# KiCad board endeavour2.kicad_pcb (continued)
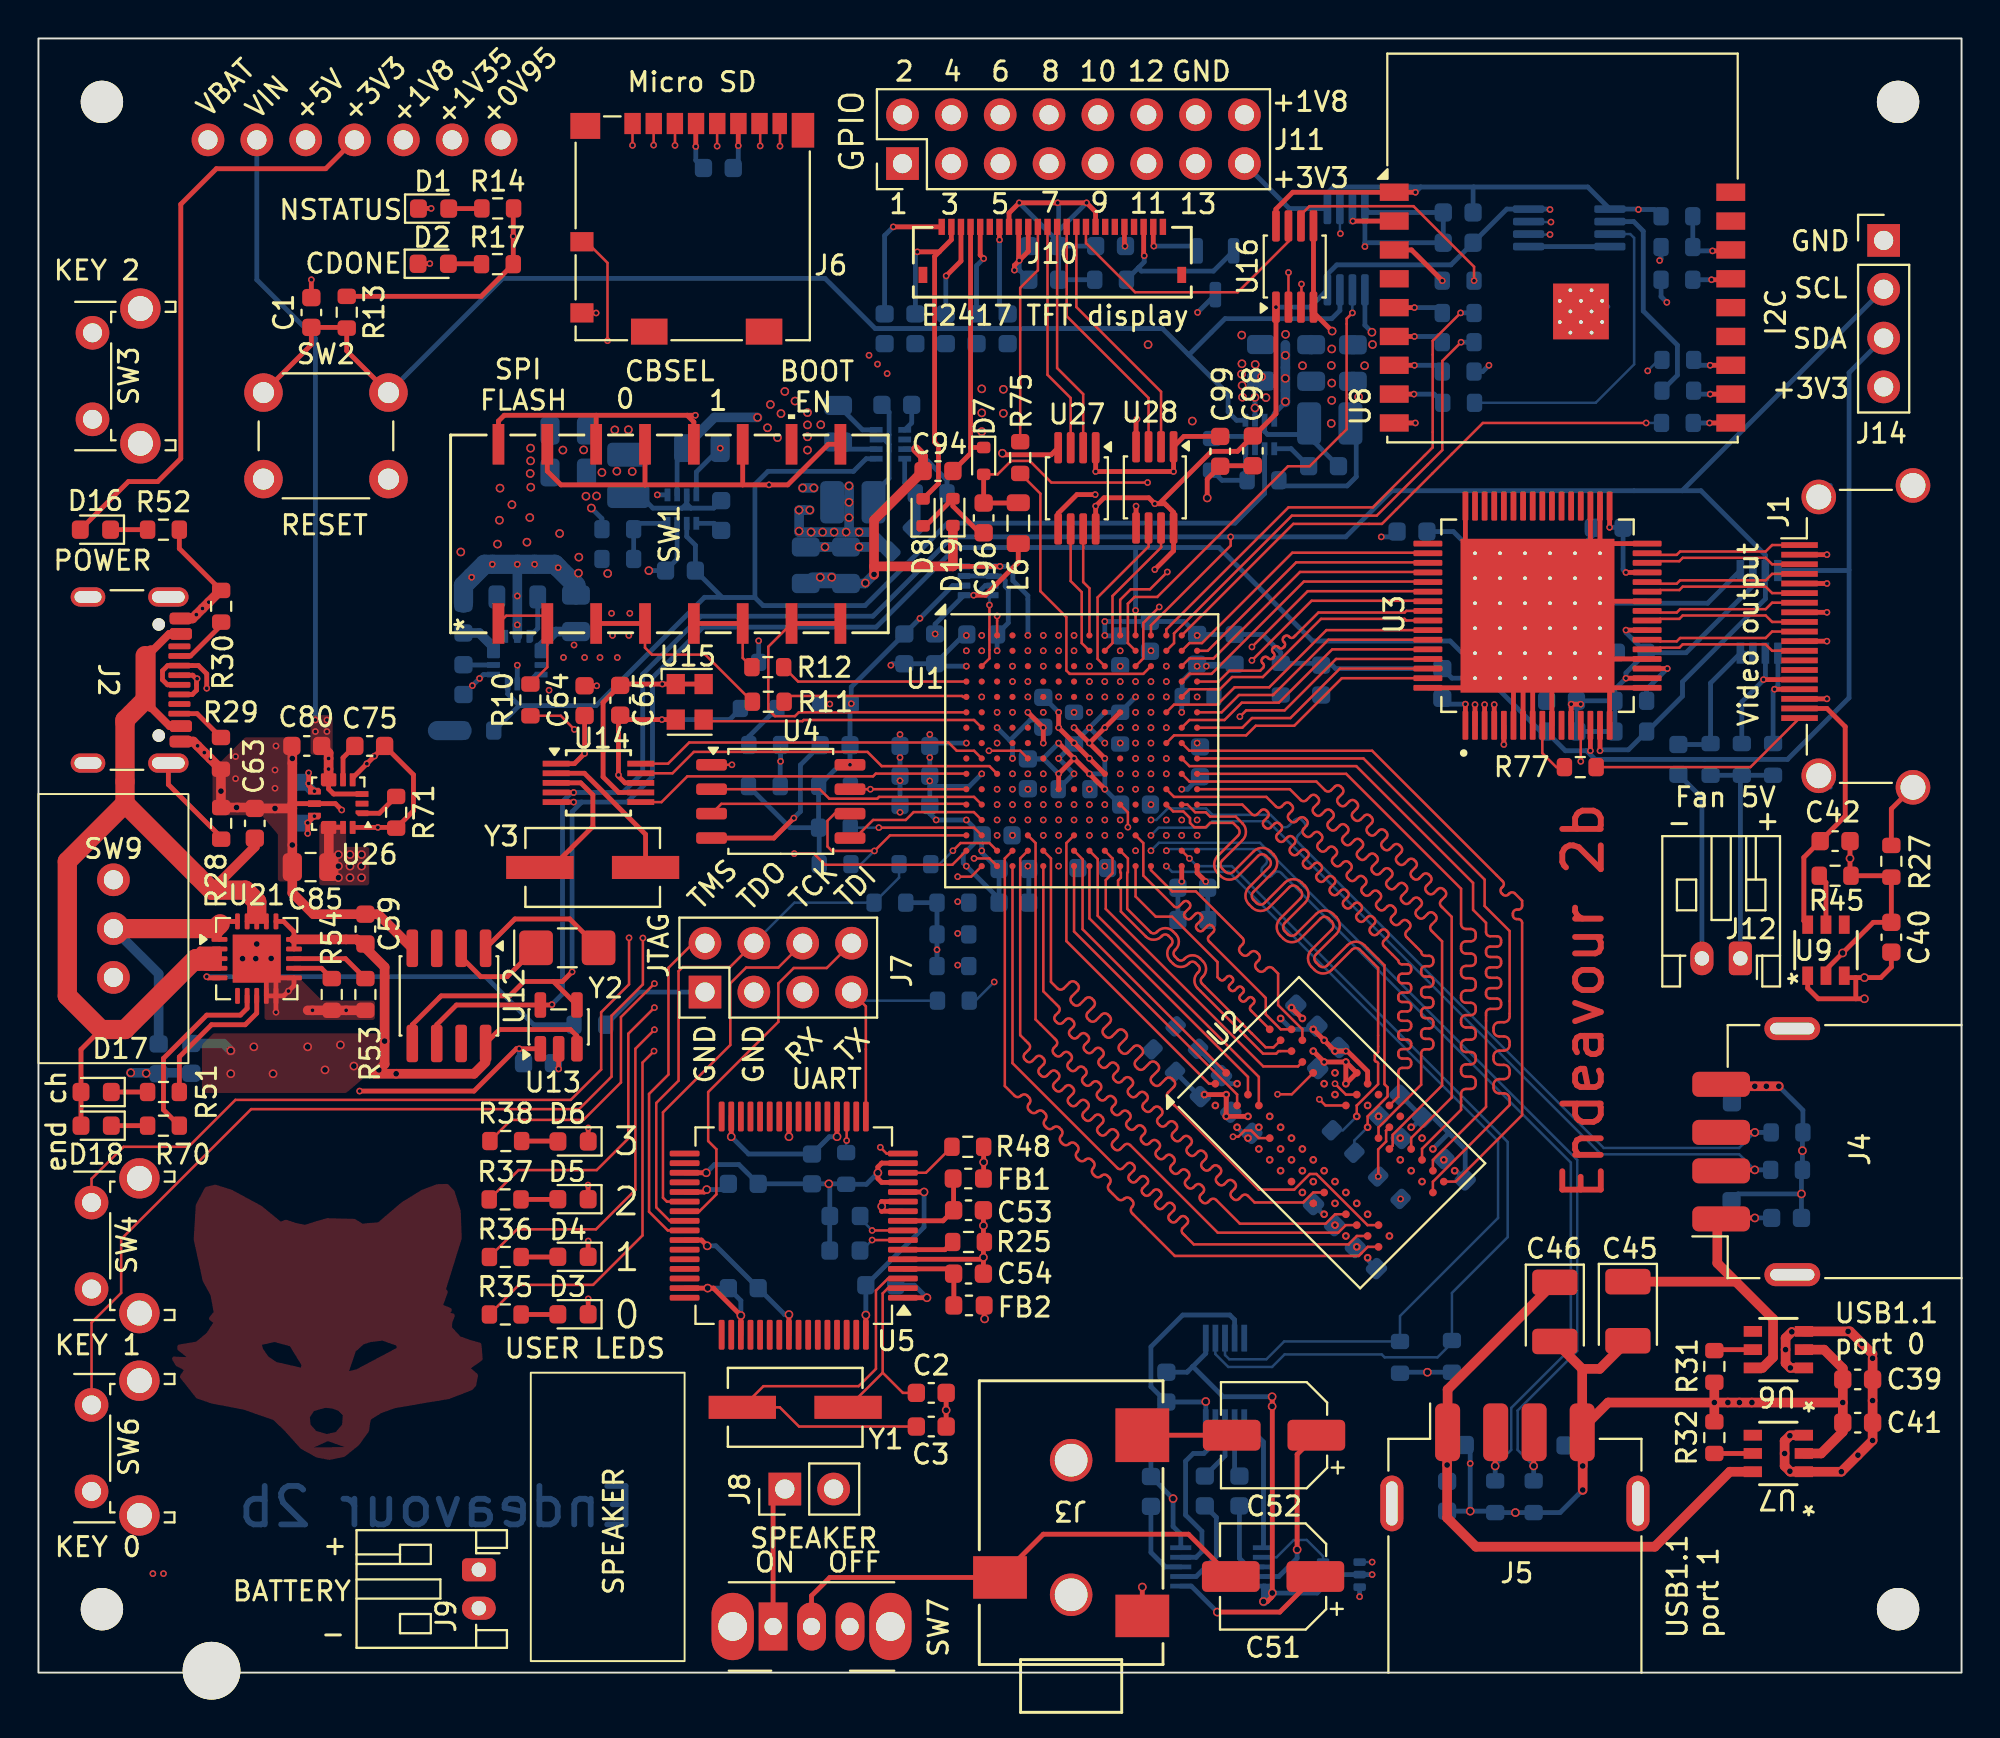
[diagram p0: board, top side]
## Routing (per net, layer and track width the routed paths; a pad name or vN(x,y) marks a point on that pad's centre or on a via; arc(x,y) is an arc through that point) (continued)
DVI_CK+: length 14.5
  Top w0.13: U3.57 71.12,54.72 71.04,54.81 66.69,54.81 63.67,51.78 62.07,51.78 61.43,51.15 59.85,51.15 U1.E15
DVI_CK-: length 14.9
  Top w0.13: U1.D16 61.37,51.55 61.93,52.11 63.53,52.11 63.68,52.26 arc(63.72,52.37) 63.68,52.48 63.64,52.52 arc(63.59,52.63) 63.64,52.74 63.69,52.8 arc(63.8,52.84) 63.92,52.8 63.95,52.76 arc(64.07,52.71) 64.18,52.76 64.23,52.81 arc(64.28,52.92) 64.23,53.03 64.19,53.07 arc(64.15,53.18) 64.19,53.3 64.25,53.35 arc(64.36,53.4) 64.47,53.35 64.51,53.31 arc(64.62,53.26) 64.73,53.31 64.78,53.37 arc(64.83,53.48) 64.78,53.59 64.74,53.63 arc(64.7,53.74) 64.74,53.85 64.8,53.9 arc(64.91,53.95) 65.02,53.9 65.06,53.86 arc(65.17,53.82) 65.28,53.86 66.56,55.14 71.04,55.14 71.12,55.22 U3.56
DVI_D0: length 15
  Top w0.13: U3.63 67.78,51.72 65.3,49.25 63.3,49.25 62.8,48.75 59.05,48.75 U1.H14
DVI_D1: length 13.3
  Top w0.13: U1.G16 62.6,49.15 63.1,49.65 65.1,49.65 67.68,52.22 U3.62
DVI_D2: length 16.7
  Top w0.13: v1(62.47,49.72) 62.8,50.05 64.8,50.05 67.47,52.72 U3.61
  In2.Cu w0.13: v1(62.47,49.72) 59.76,49.72 59.58,49.55 57.45,49.55 v1(57.05,49.15)
DVI_D3: length 14.5
  Top w0.13: U1.G15 59.85,49.55 61.68,49.55 62.57,50.45 64.5,50.45 67.28,53.22 U3.60
DVI_D4: length 13.6
  Top w0.13: U3.59 67.07,53.72 64.2,50.85 62.43,50.85 61.53,49.95 U1.F16
DVI_D5: length 15.4
  Top w0.13: U1.F14 59.05,50.35 61.3,50.35 62.2,51.25 64,51.25 66.97,54.22 U3.58
DVI_D6: length 16.8
  Top w0.13: U3.55 71.62,55.72 71.6,55.75 66.2,55.75 v1(63.1,52.65)
  In2.Cu w0.13: v1(57.85,49.95) 58.9,49.95 59.3,50.35 60.8,50.35 v1(63.1,52.65)
DVI_D7: length 17.5
  Top w0.13: v1(63.1,53.35) 66,56.25 71.9,56.25
  In2.Cu w0.13: v1(63.1,53.35) 60.9,51.15 59.7,51.15 58.87,50.32 57.42,50.32 v1(57.05,49.95)
DVI_D8: length 14.6
  Top w0.13: U1.D15 59.85,51.95 61,51.95 65.8,56.75 71.9,56.75
DVI_D9: length 14.4
  Top w0.13: U1.C15 59.85,52.75 61.1,52.75 65.6,57.25 71.8,57.25
DVI_D10: length 13.9
  Top w0.13: U1.B16 60.8,53.15 65.4,57.75 71.8,57.75 71.82,57.72 U3.51
DVI_D11: length 14.9
  Top w0.13: U3.50 72.22,58.25 65.2,58.25 60.5,53.55 59.85,53.55 U1.B15
DVI_DE: length 17.9
  Top w0.25: U3.2 v1(74.7,50.35)
  In2.Cu w0.13: v1(74.7,50.35) 74.7,49.95 74.1,49.35 59.75,49.35 59.55,49.15 v1(58.65,49.15)
DVI_HSYNC: length 20.8
  Top w0.25: U3.4 v1(75.7,50.35)
  In2.Cu w0.13: v1(75.7,50.35) 75.7,49.95 74.8,49.05 59.85,49.05 59.55,48.75 57.45,48.75 v1(57.05,48.35)
DVI_TX0+: length 8.2
  Top w0.13: U3.25 84.25,55.22 84.34,55.14 85.19,55.14 85.37,55.31 89.81,55.31 90.15,55.65 J1.7
DVI_TX0-: length 8.2
  Top w0.13: J1.9 90.15,54.65 89.81,54.98 85.5,54.98 85.32,54.81 84.34,54.81 84.25,54.72 U3.24
DVI_TX1+: length 8.2
  Top w0.13: J1.4 90.15,57.15 89.81,56.81 85.37,56.81 85.19,56.64 84.34,56.64 84.25,56.72 U3.28
DVI_TX1-: length 8.2
  Top w0.13: J1.6 90.15,56.15 89.81,56.48 85.5,56.48 85.32,56.31 84.34,56.31 84.25,56.22 U3.27
DVI_TX2+: length 8.2
  Top w0.13: U3.31 84.25,58.22 84.34,58.14 85.19,58.14 85.37,58.31 89.81,58.31 90.15,58.65 J1.1
DVI_TX2-: length 8.2
  Top w0.13: J1.3 90.15,57.65 89.81,57.98 85.5,57.98 85.32,57.81 84.34,57.81 84.25,57.72 U3.30
DVI_TXC+: length 8.2
  Top w0.13: U3.22 84.25,53.72 84.34,53.64 85.19,53.64 85.37,53.81 89.81,53.81 90.15,54.15 J1.10
DVI_TXC-: length 8.2
  Top w0.13: J1.12 90.15,53.15 89.81,53.48 85.5,53.48 85.32,53.31 84.34,53.31 84.25,53.22 U3.21
DVI_VSYNC: length 19.7
  Top w0.25: U3.5 v1(76.2,48.27)
  In2.Cu w0.13: v1(76.2,48.27) 75.72,48.75 59.95,48.75 59.55,48.35 v1(57.85,48.35)
DYN_CLK0: length 18.5
  Top w0.13: U14.10 32.74,47.28 33.84,48.38 47.32,48.38 47.75,47.95 48.65,47.95 U1.J2
DYN_CLK1: length 19.5
  Top w0.13: U14.9 32.97,46.78 34.08,47.89 43.11,47.89 43.85,47.15 49.45,47.15 U1.K3
DYN_CLK2: length 17.5
  Top w0.13: U1.K1 48.24,46.76 43.54,46.76 43.4,46.62 33.74,46.62 32.4,45.28 U14.6
E2417_BUSY_N: length 28.3
  Top w0.13: v1(65,72.82) U16.2
  In2.Cu w0.13: v1(56.25,50.75) 56.62,51.12 56.62,51.77 56.95,52.1 56.95,53.33 57.45,53.83 57.45,58.65 60.75,61.95 60.75,69.95 63.62,72.82 v1(65,72.82)
E2417_CSB: length 5.7
  Top w0.13: U27.7 54.32,56.72 54.65,56.4 U1.A9
E2417_DC: length 8.4
  Top w0.13: U1.C10 55.07,52.72 55.07,55.92 57.72,58.57 57.72,59.54
E2417_RST_N: length 7.6
  Top w0.13: U28.7 58.38,58.52 55.85,56 55.85,53.55 U1.B10
E2417_SCL: length 6.7
  Top w0.13: U1.B9 54.25,53.55 54.25,56.2 53.68,56.77 U27.6
E2417_SDA: length 15.9
  Top w0.13: R75.1 52.1,61.32 52.1,56.25 53.45,54.9 53.45,52.12 53.62,51.95 57.45,51.95 U1.C13
ESP32_DR: length 25.2
  Top w0.13: v1(65.68,72.22) 65.68,71.05 U16.3 ; v1(58.7,57.25) 57.8,56.35 56.8,56.35 56.25,55.8 U1.A11
  In2.Cu w0.13: v1(58.7,57.25) 61.43,59.97 61.43,70 63.65,72.22 v1(65.68,72.22)
ESP32_DR_3V3: length 11.8
  Top w0.13: U16.6 65.65,75.83 66.09,76.27 71.5,76.27 74.65,73.12 v1(74.65,72.4)
ESP32_EN: length 25.1
  Top w0.13: v1(68.32,70.72) 68.03,70.42 68.03,64.67 66.1,62.75 64.97,62.75 58.18,55.95 57,55.95 56.65,55.6 56.65,53.55 U1.B12
  Bottom w0.13: v1(68.32,70.72) U24.6
ESP32_EN_3V3: length 2.2
  Top w0.25: U8.2 v1(68.35,75.5)
ESP32_HS: length 39.3
  In2.Cu w0.13: v1(84.68,71.27) 84.68,67.17 77.45,59.95 68.3,59.95 61.1,52.75 59.95,52.75 59.15,51.95 58.53,51.95 58.25,51.67 58.25,51.15 v1(57.85,50.75)
  Bottom w0.25: R73.2 84.38,71.57 v1(84.68,71.27)
ESP32_MISO: length 38.5
  In2.Cu w0.13: v1(84.3,73.45) 84.15,73.3 84.15,67.5 77.15,60.5 68.1,60.5 60.85,53.25 59.55,53.25 v1(58.65,52.35)
  Bottom w0.25: R76.2 84.38,73.52 v1(84.3,73.45)
ESP32_MOSI: length 25.7
  Top w0.13: v1(73.97,69.2) 73,68.22 73,63.59 69.59,60.18 65.18,60.18 59.05,54.05 59.05,53.55 U1.B14
  Bottom w0.25: 74.66,69.5 74.68,69.48 ; v1(73.97,69.2) R61.1
ESP32_RX: length 35.2
  Top w0.13: v1(58.28,55.43) 57.45,54.6 57.45,52.75 U1.C12
  In2.Cu w0.13: v1(78.65,75.45) 79.1,75 79.1,73.45 61.08,55.43 v1(58.28,55.43)
  Bottom w0.13: U31.7 77.51,75.45 v1(78.65,75.45)
ESP32_RX_3V3: length 11.4
  Bottom w0.13: 84.36,66.68 R56.1
  Bottom w0.25: R56.1 85.22,67.48 85.22,69.05 83.45,70.82 83.45,74.97 82.95,75.47 U31.2
ESP32_SCLK: length 26.4
  Top w0.13: U1.A14 58.65,54.26 65,60.61 69.38,60.61 72.5,63.73 72.5,69.27 v1(73.95,70.72)
  Bottom w0.25: v1(73.95,70.72) 74.65,70.72 R62.1
ESP32_SCS: length 29.5
  Top w0.13: v1(83.6,65) 75.11,65 69.86,59.75 65.25,59.75 U1.A15
  Bottom w0.13: v1(83.6,65) R63.1
ESP32_SPI_BOOT: length 34.6
  In2.Cu w0.13: v1(57.05,51.55) 57.3,51.8 57.3,53.25 57.8,53.75 57.8,55.85 58.35,56.4 60.55,56.4 78.6,74.45 v1(78.6,74.8)
  Bottom w0.13: v1(78.6,74.8) 77.51,74.8 U31.6
ESP32_SPI_BOOT_3V3: length 17.7
  Bottom w0.13: U31.3 82.78,74.82 82.97,74.62 82.97,68.05 80.97,66.05 74.68,66.05
  Bottom w0.25: 82,74.8 81.35,74.8
ESP32_TX: length 34.2
  Top w0.13: 83.68,67.69 v1(83.68,67.71)
  In2.Cu w0.13: v1(57.85,51.55) 57.85,52.5 59.75,54.4 60.89,54.4 67.36,60.87 76.84,60.87 v1(83.68,67.71)
  Bottom w0.13: 84.34,68.2 R55.1 84.25,68.28 v1(83.68,67.71)
GPIO_A6: length 30.1
  In2.Cu w0.13: v1(52.25,53.95) 52.25,55.9 51.8,56.35 51.8,59.1 50.8,60.1 50.8,67.5 49.35,68.95 49.35,72.4 46.13,75.62 46.13,79.83 J11.2
GPIO_A7: length 29.4
  In2.Cu w0.13: v1(53.05,53.95) 53.05,56.25 52.4,56.9 52.4,61.05 52,61.45 52,73.25 48.65,76.6 48.65,79.85 J11.4
GPIO_A8: length 28.7
  In2.Cu w0.13: v1(53.85,53.95) 53.85,57.6 53.25,58.2 53.25,75.05 51.35,76.95 51.35,79.69 J11.6
GPIO_B5: length 28.4
  In2.Cu w0.13: v1(51.45,53.15) 51.85,53.55 51.85,55.75 51.5,56.1 51.5,58.1 49.6,60 49.6,67.5 48.85,68.25 48.85,71.75 44.93,75.67 J11.1
GPIO_B6: length 27.7
  In2.Cu w0.13: v1(52.25,53.15) 52.65,53.55 52.65,56 52.1,56.55 52.1,60.05 51.4,60.75 51.4,68.25 49.75,69.9 49.75,73.8 47.47,76.08 J11.3
GPIO_B7: length 26.9
  In2.Cu w0.13: J11.5 50.01,76.66 52.4,74.27 52.4,61.85 52.9,61.35 52.9,58 53.45,57.45 53.45,53.55 v1(53.05,53.15)
GPIO_B11: length 29.5
  In2.Cu w0.13: J11.12 58.85,79.81 58.85,75.9 56.25,73.3 v1(56.25,53.15)
GPIO_C9: length 29.5
  In2.Cu w0.13: v1(54.65,52.35) 54.65,52.71 54.51,52.85 54.51,58.37 54.06,58.82 54.06,77.74 53.85,77.95 53.85,79.73 J11.8
GPIO_D10: length 30.7
  In2.Cu w0.13: J11.10 56.3,79.82 56.3,77.85 55.59,77.14 55.59,58.44 55.05,57.9 55.05,53.75 55.45,53.35 v1(55.45,51.55)
GPIO_D11: length 28.6
  In2.Cu w0.13: v1(56.25,51.55) 56.25,51.8 56.65,52.2 56.65,71.95 60.17,75.47 J11.13
GPIO_E9: length 28.6
  In2.Cu w0.13: J11.7 53.66,77.38 53.66,58.39 54.25,57.8 54.25,51.15 v1(54.65,50.75)
GPIO_E10: length 28.6
  In2.Cu w0.13: J11.11 55.85,76.71 55.85,51.15 v1(55.45,50.75)
GPIO_F9: length 29.2
  In2.Cu w0.13: J11.9 55.09,76.1 54.45,75.46 54.45,59.15 54.77,58.83 54.77,53.38 55.02,53.13 55.02,51.98 55.02,51.98 55.02,50.32 v1(54.65,49.95)
JTAG_TCK: length 30.8
  Top w0.13: U5.38 32.68,24.5 32.47,24.7 32.47,29.14 35.97,32.64 35.97,35.85 36.8,36.67 38.47,36.67 J7.6 ; v1(47.8,41.4) 48.5,41.4 U1.T2
  In2.Cu w0.13: v1(47.8,41.4) v1(47.8,40.1) 46.9,39.2 41,39.2 J7.6
  Bottom w0.13: v1(47.8,40.1) 48.32,40.1 R21.1
JTAG_TDI: length 31.3
  Top w0.13: U1.T3 49.45,42.35 v1(48.65,42.35) ; U5.39 34.37,24 35.25,24.88 35.25,27.22 34.82,27.65 34.82,30.2 38.47,33.85 38.47,35.85 39.28,36.65 40.99,36.65 J7.8
  In2.Cu w0.13: v1(48.65,42.35) 48.65,41.83 48.35,41.53 48.35,39 v1(47.8,38.45) 42.79,38.45 J7.8
  Bottom w0.13: R22.1 48.32,38.45 v1(47.8,38.45)
JTAG_TDO: length 28.7
  Top w0.13: U5.40 32.83,23.5 32.12,24.2 32.12,29.63 33.28,30.79 33.28,36.48 33.5,36.7 35.96,36.7 J7.4
  Bottom w0.13: J7.4 39.31,40.05 R23.1 44.75,41.35 R20.1
JTAG_TMS: length 39.7
  Top w0.13: J7.2 34.04,37.94 32.76,36.66 32.76,31.11 31.75,30.1 31.75,23.97 32.72,23 U5.41
  In2.Cu w0.13: J7.2 35.8,36.8 v1(47.8,36.8) 49.1,38.1 49.1,42.05 49.85,42.8 v1(49.85,43.55) 49.8,43.5
  Bottom w0.13: R24.1 48.32,36.8 v1(47.8,36.8)
SD_CLK: length 36.4
  Top w0.13: v1(49.85,54.96) U1.A3 ; v1(35.29,79.4) 35.29,80.57 J6.5
  In2.Cu w0.13: v1(49.85,54.96) 49.85,55.87 46.13,59.59 46.13,67.71 39.13,74.71 arc(39.01,75) 39.13,75.3 39.24,75.4 arc(39.36,75.7) 39.24,76 arc(38.94,76.12) 38.64,76 38.54,75.89 arc(38.24,75.77) 37.95,75.89 arc(37.82,76.19) 37.95,76.49 38.05,76.59 arc(38.17,76.89) 38.05,77.18 arc(37.75,77.31) 37.46,77.18 37.35,77.08 arc(37.06,76.96) 36.76,77.08 arc(36.64,77.38) 36.76,77.67 36.86,77.78 arc(36.98,78.07) 36.86,78.37 arc(36.56,78.49) 36.27,78.37 36.17,78.27 arc(35.87,78.15) 35.57,78.27 35.29,78.55 v1(35.29,79.4)
SD_CMD: length 35.3
  Top w0.13: v1(33.1,79.44) 33.1,80.57 33.09,80.57
  In2.Cu w0.13: v1(49.05,53.95) 49.05,54.37 44.55,58.87 44.55,66.24 43.65,67.14 arc(43.33,67.28) 43.01,67.14 arc(42.69,67.01) 42.36,67.14 42.24,67.27 arc(42.1,67.59) 42.24,67.91 arc(42.37,68.23) 42.24,68.55 42.11,68.68 arc(41.78,68.82) 41.46,68.68 arc(41.14,68.55) 40.82,68.68 40.69,68.81 arc(40.56,69.13) 40.69,69.46 arc(40.83,69.78) 40.69,70.1 33.1,77.69 v1(33.1,79.44)
SD_D0: length 37.3
  Top w0.13: v1(37.53,79.41) 37.53,80.54 J6.7
  In2.Cu w0.13: v1(50.65,52.35) 50.23,52.77 50.23,56.66 47.2,59.69 47.2,69.02 46.76,69.46 arc(46.48,69.58) 46.2,69.46 arc(45.93,69.35) 45.65,69.46 45.43,69.68 arc(45.32,69.95) 45.43,70.23 arc(45.55,70.51) 45.43,70.79 45.22,71 arc(44.94,71.12) 44.66,71 arc(44.39,70.89) 44.11,71 43.89,71.22 arc(43.78,71.5) 43.89,71.77 arc(44.01,72.05) 43.89,72.33 43.68,72.54 arc(43.4,72.66) 43.12,72.54 arc(42.84,72.43) 42.57,72.54 42.35,72.76 arc(42.24,73.04) 42.35,73.31 arc(42.47,73.59) 42.35,73.87 42.14,74.08 arc(41.86,74.2) 41.58,74.08 arc(41.3,73.97) 41.02,74.08 40.81,74.3 arc(40.69,74.58) 40.81,74.86 arc(40.92,75.13) 40.81,75.41 37.53,78.69 v1(37.53,79.41)
SD_D1: length 39.4
  Top w0.13: J6.8 38.56,80.56 v1(38.56,79.4)
  In2.Cu w0.13: v1(38.56,79.4) 38.56,79.05 40.84,76.77 arc(41.16,76.64) 41.47,76.77 arc(41.78,76.9) 42.1,76.77 42.13,76.73 arc(42.26,76.42) 42.13,76.1 arc(42,75.79) 42.13,75.48 42.17,75.44 arc(42.48,75.31) 42.8,75.44 arc(43.11,75.57) 43.43,75.44 43.46,75.4 arc(43.59,75.09) 43.46,74.77 arc(43.33,74.46) 43.46,74.15 43.5,74.11 arc(43.81,73.98) 44.13,74.11 arc(44.44,74.24) 44.76,74.11 44.79,74.07 arc(44.92,73.76) 44.79,73.45 arc(44.66,73.13) 44.79,72.82 44.83,72.78 arc(45.14,72.65) 45.46,72.78 arc(45.77,72.91) 46.09,72.78 46.12,72.74 arc(46.25,72.43) 46.12,72.12 arc(45.99,71.8) 46.12,71.49 46.16,71.45 arc(46.47,71.32) 46.79,71.45 arc(47.1,71.58) 47.42,71.45 47.45,71.42 arc(47.58,71.1) 47.45,70.79 arc(47.32,70.47) 47.45,70.16 47.88,69.73 47.88,60.43 51.05,57.26 51.05,51.95 v1(51.45,51.55)
SD_D2: length 34.6
  Top w0.13: v1(30.89,79.44) 30.89,80.57 30.89,80.57
  In2.Cu w0.13: v1(30.89,79.44) 30.89,76.15 43.32,63.72 43.32,58.08 v1(48.25,53.15)
SD_D3: length 35.2
  Top w0.13: v1(31.99,79.45) 31.99,80.57 J6.2
  In2.Cu w0.13: v1(49.05,53.15) 48.65,53.55 48.65,54.28 47.96,54.97 47.67,54.97 43.85,58.78 43.85,64.15 33.1,74.91 33.01,75 arc(32.94,75.17) 33.01,75.33 arc(33.07,75.5) 33.01,75.66 32.92,75.75 arc(32.75,75.82) 32.59,75.75 arc(32.42,75.68) 32.26,75.75 31.99,76.02 v1(31.99,79.45)
SD_nDETECT: length 38.3
  Top w0.13: v1(29.59,69.28) 29.59,73.33 28.5,74.42 J6.9
  In2.Cu w0.13: v1(51.45,50.75) 51.05,51.15 47.72,51.15 42.56,56.31 39.45,56.31 38.99,56.77 38.99,61.71 31.42,69.28 v1(29.59,69.28)
SD_VCCIO: length 6.2
  Bottom w0.25: v1(49.85,53.15) 49.85,53.97 49.82,54 49.83,54 50.43,54.6 50.43,56.34 50.27,56.5 50.27,56.8 50.03,57.04 U17.2 U17.7
SD_VCCIO_SEL_3V3: length 3.9
  Top w0.13: v1(49.45,55.53) 49.45,52.75 U1.C2
  Bottom w0.13: U17.4 49.45,55.89 v1(49.45,55.53)
SND_SCL: length 49
  Top w0.13: U1.R15 v1(59.85,42.35)
  Bottom w0.13: v1(59.85,42.35) 60.25,41.95 62.05,41.95 76.4,27.6 76.4,22.65 73.5,19.75 R47.2 73.5,17.15 72.75,16.4 70,16.4 69.85,16.55 64.8,16.55 64.15,15.9 61.87,15.9 61.2,16.57 U10.2
  Bottom w0.25: 73.5,17.25 R47.2
SND_SDA: length 46.2
  Bottom w0.13: v1(58.65,41.95) 58.95,41.65 61.9,41.65 75.9,27.65 75.9,23.65 70.8,18.55 70.8,17.22 64.78,17.22 63.85,16.3 61.92,16.3 61.7,16.52 U10.3
SND_SHDN: length 71.6
  In2.Cu w0.13: v1(58.65,50.75) 59.75,51.85 60.95,51.85 62.95,53.85 65.15,53.85 68.05,50.95 76.55,50.95 76.95,50.55 76.95,9.9 72.8,5.75 v1(69.35,5.75)
  Bottom w0.13: v1(69.35,5.75) U23.4
SSL_N: length 28.1
  Top w0.13: v1(39.3,42.6) 40.32,42.6 40.9,42.02 47.52,42.02 U1.R1 ; v1(27.87,49.06) 27.16,49.77 R10.1 ; U4.1 v1(36.06,47.22)
  In2.Cu w0.13: v1(39.3,42.6) 36.06,45.84 v1(36.06,47.22) 34.22,49.06 27.9,49.06
  Bottom w0.13: 27.9,49.06 v1(27.87,49.06)
UART_RX: length 26.9
  Top w0.13: v1(43.78,27.32) 44.1,27 U5.16
  In2.Cu w0.13: 43.78,31.32 v1(43.78,27.32) ; 43.78,31.32 43.78,31.36 J7.5 ; 43.78,31.32 49.4,36.95 49.4,41.9 50.25,42.75 50.25,43.95 v1(50.65,44.35)
UART_TX: length 11.4
  Top w0.13: J7.7 43.03,34.65 U5.17
  Bottom w0.13: J7.7 42.73,34.95 R19.1
USB1_D+: length 44.4
  Top w0.25: v2(89.25,28.1) 87.3,28.1
  Bottom w0.13: 88.64,27.49 88.08,28.05 D12.2 ; 88.64,27.49 v2(89.25,28.1) ; 88.64,27.49 88.44,27.29 81.39,27.29 65.61,43.07 65.51,43.17 arc(65.43,43.37) 65.51,43.56 65.8,43.85 arc(65.88,44.05) 65.8,44.24 65.7,44.34 arc(65.51,44.42) 65.31,44.34 65.02,44.05 arc(64.83,43.97) 64.63,44.05 64.07,44.61 61.05,44.61 60.72,44.95 58.73,44.95 58.13,44.35 v1(57.85,44.35)
  Bottom w0.25: R43.1 v2(89.25,28.1)
USB1_D-: length 42.9
  Top w0.25: 87.3,26.1 87.35,26.15 v2(89.25,26.15)
  Bottom w0.13: 88.68,26.72 88.44,26.96 81.26,26.96 63.93,44.28 61.05,44.28 60.72,43.95 58.25,43.95 v1(57.85,43.55) ; 88.68,26.72 88.09,26.14 D13.2 ; 88.68,26.72 v2(89.25,26.15)
  Bottom w0.25: R33.1 v2(89.25,26.15)
USB2_D+: length 50.2
  Top w0.25: 77.78,12.7 77.75,12.67 v2(77.75,10.75)
  Bottom w0.13: v1(57.85,42.75) 58.26,43.16 63.52,43.16 80.01,26.67 80.01,16.73 76.91,13.63 76.91,11.58 77.24,11.26 ; 77.24,11.26 v2(77.75,10.75) ; 77.24,11.26 77.79,11.82 D14.2
  Bottom w0.25: R44.1 v2(77.75,10.75)
USB2_D-: length 49.7
  Top w0.25: 75.78,12.7 75.75,12.67 v2(75.75,10.75)
  Bottom w0.13: v1(58.65,42.75) 58.74,42.83 63.38,42.83 63.81,42.41 arc(63.88,42.23) 63.81,42.05 63.67,41.9 arc(63.59,41.72) 63.67,41.54 63.76,41.45 arc(63.94,41.38) 64.12,41.45 64.26,41.59 arc(64.44,41.67) 64.62,41.59 64.98,41.23 79.69,26.53 79.69,16.87 76.59,13.77 76.59,11.58 76.31,11.3 ; 76.31,11.3 75.78,11.83 D15.2 ; 76.31,11.3 v2(75.75,10.75)
  Bottom w0.25: R34.1 v2(75.75,10.75)
USBC_D+: length 57.6
  Top w0.13: U5.8 v1(43.35,23)
  Top w0.25: J2.A6 8.02,51.88 8.22,51.68 8.22,51.1 8,50.88 J2.B6
  In2.Cu w0.13: v1(43.35,23) 43.27,22.92 35.92,22.92 28.27,30.56 22.47,30.56 11.52,41.52 11.52,50.47 10.28,51.7 v1(8.25,51.7) 8.33,51.61
  Bottom w0.13: D11.2 42.73,23.62 v1(43.35,23)
USBC_D-: length 59.1
  Top w0.13: U5.7 v1(43.35,22.5)
  Top w0.25: v1(8.75,51.2) 8.75,51.95 8.32,52.38 J2.B7 6.72,52.38 6.45,52.11 6.45,51.64 6.71,51.38 J2.A7
  In2.Cu w0.13: 8.83,51.28 v1(8.75,51.2) 10.32,51.2 11.19,50.33 11.19,41.38 22.33,30.23 28.13,30.23 35.78,22.58 43.27,22.58 v1(43.35,22.5)
  Bottom w0.13: D10.2 42.8,21.95 v1(43.35,22.5)
USER_KEY0: length 70
  Top w0.13: v1(31.43,38.21) 31.43,35.8 29.8,34.17 29.8,31 28.11,29.31 11.06,29.31 4.3,22.55 4.3,19.75 2.76,18.21 SW6.2
  In2.Cu w0.13: v1(50.65,45.95) 50.25,46.35 49.65,46.35 49.2,45.9 47.62,45.9 46.2,44.48 46.2,43.39 43.83,41.02 33.45,41.02 31.43,39 v1(31.43,38.21)
USER_KEY1: length 62
  Top w0.13: v1(30.71,38.22) 30.71,35.8 29.26,34.35 29.26,31.37 27.68,29.79 10.24,29.79 7.8,27.35 4.42,27.35 2.76,25.69 SW4.2
  In2.Cu w0.13: v1(50.65,46.75) 49.65,46.75 49.25,46.35 47.55,46.35 45.79,44.59 45.79,43.51 43.64,41.36 33.21,41.36 30.71,38.86 v1(30.71,38.22)
USER_KEY2: length 56.9
  In2.Cu w0.13: SW3.2 7.6,64.9 11.2,64.9 24.2,51.9 38,51.9 41.65,48.25 46.6,48.25 47.3,47.55 49.6,47.55 49.85,47.8 v1(49.85,48.35)
USER_LED0: length 45.3
  Top w0.13: v1(32.01,32.33) 31.41,31.73 31.41,22.74 28.84,20.17 24.99,20.17 R35.1
  In2.Cu w0.13: v1(49.85,44.35) 45.11,39.61 34.2,39.61 33.25,38.66 33.25,33.57 v1(32.01,32.33)
USER_LED1: length 44.4
  Top w0.13: R36.1 24.89,23.06 28.99,23.06 31.04,25.11 31.04,32.45 v1(32.03,33.44)
  In2.Cu w0.13: v1(32.03,33.44) 32.88,34.29 32.88,38.81 34.04,39.97 44.94,39.97 47.07,42.1 47.07,42.88 47.4,43.21 47.96,43.21 49.5,44.75 50.25,44.75 v1(50.65,45.15)
USER_LED2: length 42.7
  Top w0.13: R37.1 24.97,26.14 29.03,26.14 30.67,27.78 30.67,33.23 v1(32.03,34.59)
  In2.Cu w0.13: v1(51.45,45.15) 51.05,45.55 49.73,45.55 49.28,45.1 48.32,45.1 47.83,44.61 47.83,44.01 44.15,40.33 33.84,40.33 32.52,39.01 32.52,35.08 v1(32.03,34.59)